# KiCad board mse-68-vhdci-panel.kicad_pcb (continued)
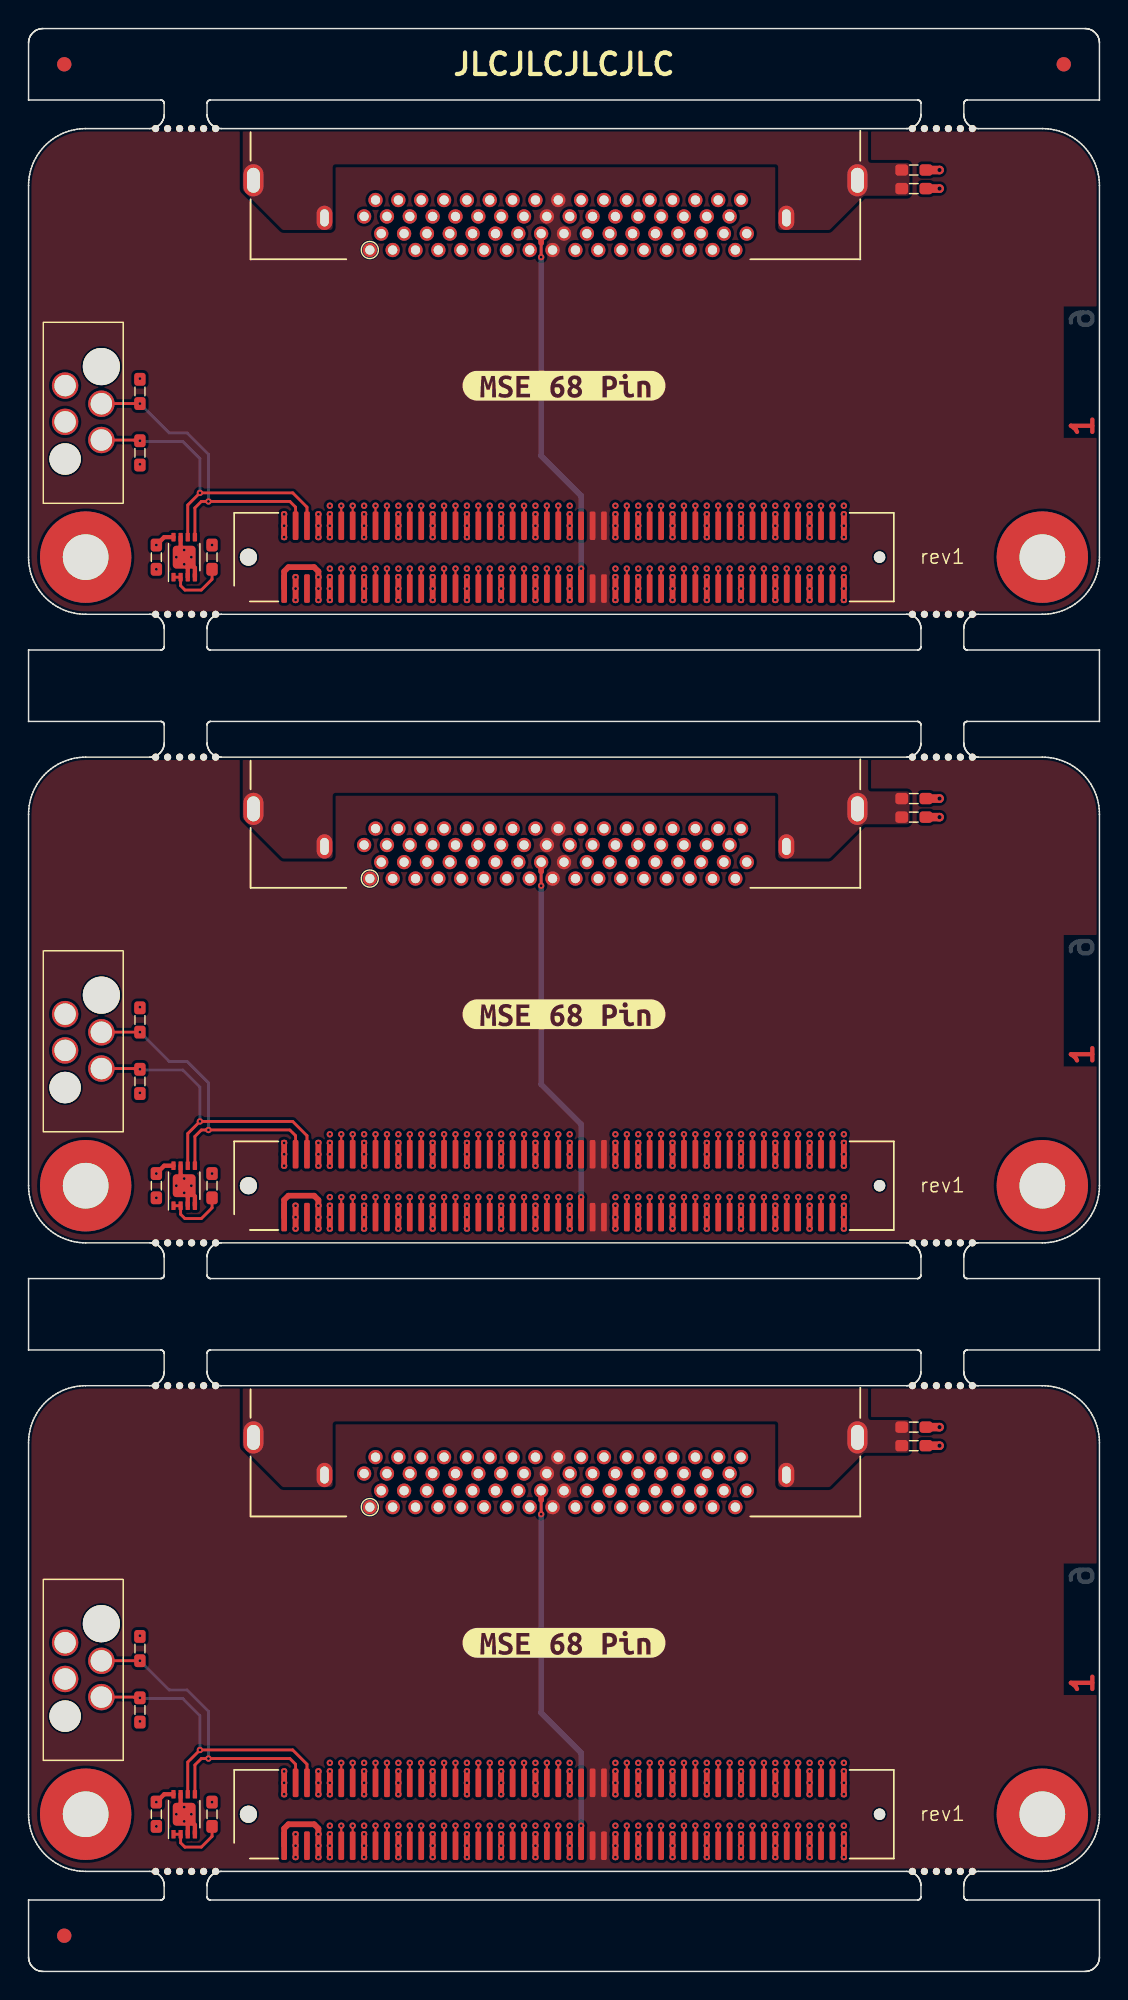
[diagram p0: board, top side]
## Routing (per net, layer and track width the routed paths; a pad name or vN(x,y) marks a point on that pad's centre or on a via; arc(x,y) is an arc through that point) (continued)
Board_2-/CON.DB3+: length 29.6
  Top w0.151: J1.35 v1(31.5,10.2)
  In3.Cu w0.151: J4.9 30.9,31.9 30.9,29.88 arc(30.83,29.71) 30.66,29.64 arc(30.5,29.57) 30.43,29.4 30.43,29.28 arc(30.5,29.11) 30.66,29.04 arc(30.83,28.97) 30.9,28.8 30.9,28.68 arc(30.83,28.51) 30.66,28.44 arc(30.5,28.37) 30.43,28.2 30.43,28.08 arc(30.5,27.91) 30.66,27.84 arc(30.83,27.77) 30.9,27.6 30.9,27.48 arc(30.83,27.31) 30.66,27.24 arc(30.5,27.17) 30.43,27 30.43,26.88 arc(30.5,26.71) 30.66,26.64 arc(30.83,26.57) 30.9,26.4 30.9,26.27 arc(30.83,26.11) 30.66,26.04 arc(30.5,25.97) 30.43,25.8 30.43,25.67 arc(30.5,25.51) 30.66,25.44 arc(30.83,25.37) 30.9,25.2 30.9,25.07 arc(30.83,24.91) 30.66,24.84 arc(30.5,24.77) 30.43,24.6 30.43,24.47 arc(30.5,24.31) 30.66,24.24 arc(30.83,24.17) 30.9,24 30.9,23.87 arc(30.83,23.71) 30.66,23.64 arc(30.5,23.57) 30.43,23.4 30.43,23.27 arc(30.5,23.11) 30.66,23.04 arc(30.83,22.97) 30.9,22.8 30.9,22.67 arc(30.83,22.51) 30.66,22.44 arc(30.5,22.37) 30.43,22.2 30.43,22.07 arc(30.5,21.91) 30.66,21.84 arc(30.83,21.77) 30.9,21.6 30.9,21.47 arc(30.83,21.31) 30.66,21.24 arc(30.5,21.17) 30.43,21 30.43,20.87 arc(30.5,20.71) 30.66,20.64 arc(30.83,20.57) 30.9,20.4 30.9,20.27 arc(30.83,20.11) 30.66,20.04 arc(30.5,19.97) 30.43,19.8 30.43,19.67 arc(30.5,19.51) 30.66,19.44 arc(30.83,19.37) 30.9,19.2 30.9,19.07 arc(30.83,18.91) 30.66,18.84 arc(30.5,18.77) 30.43,18.6 30.43,18.47 arc(30.5,18.31) 30.66,18.24 arc(30.83,18.17) 30.9,18 30.9,15.2 31.19,14.91 31.19,10.51 v1(31.5,10.2)
Board_2-/CON.DB3-: length 27
  Top w0.151: J1.36 v1(31.5,14.6)
  In2.Cu w0.151: J4.43 29.9,34.2 30.1,34 30.1,33.46 30.9,32.66 30.9,28.68 arc(30.83,28.51) 30.66,28.44 30.65,28.44 arc(30.48,28.37) 30.41,28.2 30.41,28.08 arc(30.48,27.91) 30.65,27.84 30.66,27.84 arc(30.83,27.77) 30.9,27.6 30.9,27.48 arc(30.83,27.31) 30.66,27.24 30.65,27.24 arc(30.48,27.17) 30.41,27 30.41,26.88 arc(30.48,26.71) 30.65,26.64 30.66,26.64 arc(30.83,26.57) 30.9,26.4 30.9,26.24 arc(30.84,26.09) 30.68,26.02 arc(30.53,25.96) 30.46,25.8 30.46,25.64 arc(30.53,25.49) 30.68,25.42 arc(30.84,25.36) 30.9,25.2 30.9,25.04 arc(30.84,24.89) 30.68,24.82 arc(30.53,24.76) 30.46,24.6 30.46,24.44 arc(30.53,24.29) 30.68,24.22 arc(30.84,24.16) 30.9,24 30.9,23.84 arc(30.84,23.69) 30.68,23.62 arc(30.53,23.56) 30.46,23.4 30.46,23.24 arc(30.53,23.09) 30.68,23.02 arc(30.84,22.96) 30.9,22.8 30.9,22.64 arc(30.84,22.49) 30.68,22.42 arc(30.53,22.36) 30.46,22.2 30.46,22.04 arc(30.53,21.89) 30.68,21.82 arc(30.84,21.76) 30.9,21.6 30.9,21.44 arc(30.84,21.29) 30.68,21.22 arc(30.53,21.16) 30.46,21 30.46,20.84 arc(30.53,20.69) 30.68,20.62 arc(30.84,20.56) 30.9,20.4 30.9,20.24 arc(30.84,20.09) 30.68,20.02 arc(30.53,19.96) 30.46,19.8 30.46,19.64 arc(30.53,19.49) 30.68,19.42 arc(30.84,19.36) 30.9,19.2 30.9,19.04 arc(30.84,18.89) 30.68,18.82 arc(30.53,18.76) 30.46,18.6 30.46,18.44 arc(30.53,18.29) 30.68,18.22 arc(30.84,18.16) 30.9,18 30.9,15.2 v1(31.5,14.6)
Board_2-/CON.DB4+: length 29.6
  Top w0.151: J1.37 v1(32.3,10.2)
  In3.Cu w0.151: v1(32.3,10.2) 31.9,10.6 31.9,15 31.3,15.6 31.3,18 arc(31.35,18.13) 31.48,18.18 arc(31.61,18.24) 31.66,18.36 31.66,18.6 arc(31.61,18.73) 31.48,18.78 arc(31.35,18.84) 31.3,18.96 31.3,19.2 arc(31.35,19.33) 31.48,19.38 arc(31.61,19.44) 31.66,19.56 31.66,19.8 arc(31.61,19.93) 31.48,19.98 arc(31.35,20.04) 31.3,20.16 31.3,20.4 arc(31.35,20.53) 31.48,20.58 arc(31.61,20.64) 31.66,20.76 31.66,21 arc(31.61,21.13) 31.48,21.18 arc(31.35,21.24) 31.3,21.36 31.3,21.6 arc(31.35,21.73) 31.48,21.78 arc(31.61,21.84) 31.66,21.96 31.66,22.2 arc(31.61,22.33) 31.48,22.38 arc(31.35,22.44) 31.3,22.56 31.3,22.8 arc(31.35,22.93) 31.48,22.98 arc(31.61,23.04) 31.66,23.16 31.66,23.4 arc(31.61,23.53) 31.48,23.58 arc(31.35,23.64) 31.3,23.76 31.3,24 arc(31.35,24.13) 31.48,24.18 arc(31.61,24.24) 31.66,24.36 31.66,24.6 arc(31.61,24.73) 31.48,24.78 arc(31.35,24.84) 31.3,24.96 31.3,25.2 arc(31.35,25.33) 31.48,25.38 arc(31.61,25.44) 31.66,25.56 31.66,25.8 arc(31.61,25.93) 31.48,25.98 arc(31.35,26.04) 31.3,26.16 31.3,26.4 arc(31.35,26.53) 31.48,26.58 arc(31.61,26.64) 31.66,26.76 31.66,27 arc(31.61,27.13) 31.48,27.18 arc(31.35,27.24) 31.3,27.36 31.3,27.6 arc(31.35,27.73) 31.48,27.78 arc(31.61,27.84) 31.66,27.96 31.66,28.2 arc(31.61,28.33) 31.48,28.38 arc(31.35,28.44) 31.3,28.56 31.3,28.8 arc(31.37,28.97) 31.54,29.04 arc(31.71,29.11) 31.78,29.28 31.78,29.4 arc(31.71,29.57) 31.54,29.64 arc(31.37,29.71) 31.3,29.88 31.3,32.1 31.1,32.3 J4.10
Board_2-/CON.DB4-: length 27
  Top w0.151: J1.38 v1(32.3,14.6)
  In2.Cu w0.151: v1(32.3,14.6) 31.3,15.6 31.3,18 arc(31.37,18.17) 31.54,18.24 31.54,18.24 arc(31.71,18.31) 31.78,18.48 31.78,18.6 arc(31.71,18.77) 31.54,18.84 31.54,18.84 arc(31.37,18.91) 31.3,19.08 31.3,19.2 arc(31.37,19.37) 31.54,19.44 31.54,19.44 arc(31.71,19.51) 31.78,19.68 31.78,19.8 arc(31.71,19.97) 31.54,20.04 31.54,20.04 arc(31.37,20.11) 31.3,20.28 31.3,20.4 arc(31.37,20.57) 31.54,20.64 31.54,20.64 arc(31.71,20.71) 31.78,20.88 31.78,21 arc(31.71,21.17) 31.54,21.24 31.54,21.24 arc(31.37,21.31) 31.3,21.48 31.3,21.6 arc(31.37,21.77) 31.54,21.84 31.54,21.84 arc(31.71,21.91) 31.78,22.08 31.78,22.2 arc(31.71,22.37) 31.54,22.44 31.54,22.44 arc(31.37,22.51) 31.3,22.68 31.3,22.8 arc(31.37,22.97) 31.54,23.04 31.54,23.04 arc(31.71,23.11) 31.78,23.28 31.78,23.4 arc(31.71,23.57) 31.54,23.64 31.54,23.64 arc(31.37,23.71) 31.3,23.88 31.3,24 arc(31.37,24.17) 31.54,24.24 31.54,24.24 arc(31.71,24.31) 31.78,24.48 31.78,24.6 arc(31.71,24.77) 31.54,24.84 31.54,24.84 arc(31.37,24.91) 31.3,25.08 31.3,32.68 30.5,33.48 30.5,34 30.7,34.2 J4.44
Board_2-/CON.DB5+: length 29.6
  Top w0.151: J1.41 v1(33.9,10.2)
  In3.Cu w0.151: v1(33.9,10.2) 33.6,10.5 33.6,14.7 33.59,14.71 33.59,14.91 32.5,16 32.5,18 arc(32.43,18.17) 32.26,18.24 32.25,18.24 arc(32.08,18.31) 32.01,18.48 32.01,18.6 arc(32.08,18.77) 32.25,18.84 32.26,18.84 arc(32.43,18.91) 32.5,19.08 32.5,19.2 arc(32.43,19.37) 32.26,19.44 32.25,19.44 arc(32.08,19.51) 32.01,19.68 32.01,19.8 arc(32.08,19.97) 32.25,20.04 32.26,20.04 arc(32.43,20.11) 32.5,20.28 32.5,20.4 arc(32.43,20.57) 32.26,20.64 32.25,20.64 arc(32.08,20.71) 32.01,20.88 32.01,21 arc(32.08,21.17) 32.25,21.24 32.26,21.24 arc(32.43,21.31) 32.5,21.48 32.5,21.6 arc(32.43,21.77) 32.26,21.84 32.25,21.84 arc(32.08,21.91) 32.01,22.08 32.01,22.2 arc(32.08,22.37) 32.25,22.44 32.26,22.44 arc(32.43,22.51) 32.5,22.68 32.5,22.8 arc(32.43,22.97) 32.26,23.04 32.25,23.04 arc(32.08,23.11) 32.01,23.28 32.01,23.4 arc(32.08,23.57) 32.25,23.64 32.26,23.64 arc(32.43,23.71) 32.5,23.88 32.5,24 arc(32.43,24.17) 32.26,24.24 32.25,24.24 arc(32.08,24.31) 32.01,24.48 32.01,24.6 arc(32.08,24.77) 32.25,24.84 32.26,24.84 arc(32.43,24.91) 32.5,25.08 32.5,25.2 arc(32.43,25.37) 32.26,25.44 32.25,25.44 arc(32.08,25.51) 32.01,25.68 32.01,25.8 arc(32.08,25.97) 32.25,26.04 32.26,26.04 arc(32.43,26.11) 32.5,26.28 32.5,26.4 arc(32.43,26.57) 32.26,26.64 32.25,26.64 arc(32.08,26.71) 32.01,26.88 32.01,27 arc(32.08,27.17) 32.25,27.24 32.26,27.24 arc(32.43,27.31) 32.5,27.48 32.5,27.6 arc(32.43,27.77) 32.26,27.84 32.25,27.84 arc(32.08,27.91) 32.01,28.08 32.01,28.2 arc(32.08,28.37) 32.25,28.44 32.26,28.44 arc(32.43,28.51) 32.5,28.68 32.5,31.9 J4.11
Board_2-/CON.DB5-: length 27
  Top w0.151: J1.42 v1(33.9,14.6)
  In2.Cu w0.151: v1(33.9,14.6) 32.5,16 32.5,18 arc(32.44,18.14) 32.31,18.19 arc(32.17,18.25) 32.12,18.38 32.12,18.6 arc(32.17,18.74) 32.31,18.79 arc(32.44,18.85) 32.5,18.98 32.5,19.2 arc(32.44,19.34) 32.31,19.39 arc(32.17,19.45) 32.12,19.58 32.12,19.8 arc(32.17,19.94) 32.31,19.99 arc(32.44,20.05) 32.5,20.18 32.5,20.4 arc(32.44,20.54) 32.31,20.59 arc(32.17,20.65) 32.12,20.78 32.12,21 arc(32.17,21.14) 32.31,21.19 arc(32.44,21.25) 32.5,21.38 32.5,21.6 arc(32.44,21.74) 32.31,21.79 arc(32.17,21.85) 32.12,21.98 32.12,22.2 arc(32.17,22.34) 32.31,22.39 arc(32.44,22.45) 32.5,22.58 32.5,22.8 arc(32.44,22.94) 32.31,22.99 arc(32.17,23.05) 32.12,23.18 32.12,23.4 arc(32.17,23.54) 32.31,23.59 arc(32.44,23.65) 32.5,23.78 32.5,24 arc(32.44,24.14) 32.31,24.19 arc(32.17,24.25) 32.12,24.38 32.12,24.6 arc(32.17,24.74) 32.31,24.79 arc(32.44,24.85) 32.5,24.98 32.5,25.2 arc(32.43,25.37) 32.26,25.44 32.25,25.44 arc(32.08,25.51) 32.01,25.68 32.01,25.8 arc(32.08,25.97) 32.25,26.04 32.26,26.04 arc(32.43,26.11) 32.5,26.28 32.5,26.4 arc(32.43,26.57) 32.26,26.64 32.25,26.64 arc(32.08,26.71) 32.01,26.88 32.01,27 arc(32.08,27.17) 32.25,27.24 32.26,27.24 arc(32.43,27.31) 32.5,27.48 32.5,27.6 arc(32.43,27.77) 32.26,27.84 32.25,27.84 arc(32.08,27.91) 32.01,28.08 32.01,28.2 arc(32.08,28.37) 32.25,28.44 32.26,28.44 arc(32.43,28.51) 32.5,28.68 32.5,32.65 31.7,33.45 31.7,34 31.5,34.2 J4.45
Board_2-/CON.DB6+: length 29.6
  Top w0.151: J1.43 v1(34.7,10.2)
  In3.Cu w0.151: J4.12 32.7,32.3 32.9,32.1 32.9,27.39 arc(32.96,27.25) 33.09,27.19 arc(33.23,27.14) 33.29,27 33.29,26.79 arc(33.23,26.65) 33.09,26.59 arc(32.96,26.54) 32.9,26.4 32.9,26.24 arc(32.96,26.08) 33.12,26.02 arc(33.27,25.96) 33.34,25.8 33.34,25.64 arc(33.27,25.48) 33.12,25.42 arc(32.96,25.36) 32.9,25.2 32.9,25.04 arc(32.96,24.88) 33.12,24.82 arc(33.27,24.76) 33.34,24.6 33.34,24.44 arc(33.27,24.28) 33.12,24.22 arc(32.96,24.16) 32.9,24 32.9,23.84 arc(32.96,23.68) 33.12,23.62 arc(33.27,23.56) 33.34,23.4 33.34,23.24 arc(33.27,23.08) 33.12,23.02 arc(32.96,22.96) 32.9,22.8 32.9,22.64 arc(32.96,22.48) 33.12,22.42 arc(33.27,22.36) 33.34,22.2 33.34,22.04 arc(33.27,21.88) 33.12,21.82 arc(32.96,21.76) 32.9,21.6 32.9,21.44 arc(32.96,21.28) 33.12,21.22 arc(33.27,21.16) 33.34,21 33.34,20.84 arc(33.27,20.68) 33.12,20.62 arc(32.96,20.56) 32.9,20.4 32.9,20.24 arc(32.96,20.08) 33.12,20.02 arc(33.27,19.96) 33.34,19.8 33.34,19.64 arc(33.27,19.48) 33.12,19.42 arc(32.96,19.36) 32.9,19.2 32.9,19.04 arc(32.96,18.88) 33.12,18.82 arc(33.27,18.76) 33.34,18.6 33.34,18.44 arc(33.27,18.28) 33.12,18.22 arc(32.96,18.16) 32.9,18 32.9,16.4 34.3,15 34.3,10.6 v1(34.7,10.2)
Board_2-/CON.DB6-: length 27
  Top w0.151: J1.44 v1(34.7,14.6)
  In2.Cu w0.151: J4.46 32.3,34.2 32.1,34 32.1,33.49 32.9,32.69 32.9,25.04 arc(32.96,24.89) 33.12,24.82 arc(33.27,24.76) 33.34,24.6 33.34,24.44 arc(33.27,24.29) 33.12,24.22 arc(32.96,24.16) 32.9,24 32.9,23.84 arc(32.96,23.69) 33.12,23.62 arc(33.27,23.56) 33.34,23.4 33.34,23.24 arc(33.27,23.09) 33.12,23.02 arc(32.96,22.96) 32.9,22.8 32.9,22.64 arc(32.96,22.49) 33.12,22.42 arc(33.27,22.36) 33.34,22.2 33.34,22.04 arc(33.27,21.89) 33.12,21.82 arc(32.96,21.76) 32.9,21.6 32.9,21.44 arc(32.96,21.29) 33.12,21.22 arc(33.27,21.16) 33.34,21 33.34,20.84 arc(33.27,20.69) 33.12,20.62 arc(32.96,20.56) 32.9,20.4 32.9,20.24 arc(32.96,20.09) 33.12,20.02 arc(33.27,19.96) 33.34,19.8 33.34,19.64 arc(33.27,19.49) 33.12,19.42 arc(32.96,19.36) 32.9,19.2 32.9,19.04 arc(32.96,18.89) 33.12,18.82 arc(33.27,18.76) 33.34,18.6 33.34,18.44 arc(33.27,18.29) 33.12,18.22 arc(32.96,18.16) 32.9,18 32.9,16.4 v1(34.7,14.6)
Board_2-/CON.DB7+: length 29.6
  Top w0.151: J1.47 v1(36.3,10.2)
  In3.Cu w0.151: J4.13 34.1,31.9 34.1,28.68 arc(34.03,28.51) 33.86,28.44 33.84,28.44 arc(33.67,28.37) 33.6,28.2 33.6,28.08 arc(33.67,27.91) 33.84,27.84 33.86,27.84 arc(34.03,27.77) 34.1,27.6 34.1,27.48 arc(34.03,27.31) 33.86,27.24 33.84,27.24 arc(33.67,27.17) 33.6,27 33.6,26.88 arc(33.67,26.71) 33.84,26.64 33.86,26.64 arc(34.03,26.57) 34.1,26.4 34.1,26.25 arc(34.03,26.09) 33.88,26.02 arc(33.72,25.96) 33.65,25.8 33.65,25.65 arc(33.72,25.49) 33.88,25.42 arc(34.03,25.36) 34.1,25.2 34.1,25.05 arc(34.03,24.89) 33.88,24.82 arc(33.72,24.76) 33.65,24.6 33.65,24.45 arc(33.72,24.29) 33.88,24.22 arc(34.03,24.16) 34.1,24 34.1,23.85 arc(34.03,23.69) 33.88,23.62 arc(33.72,23.56) 33.65,23.4 33.65,23.25 arc(33.72,23.09) 33.88,23.02 arc(34.03,22.96) 34.1,22.8 34.1,22.65 arc(34.03,22.49) 33.88,22.42 arc(33.72,22.36) 33.65,22.2 33.65,22.05 arc(33.72,21.89) 33.88,21.82 arc(34.03,21.76) 34.1,21.6 34.1,21.45 arc(34.03,21.29) 33.88,21.22 arc(33.72,21.16) 33.65,21 33.65,20.85 arc(33.72,20.69) 33.88,20.62 arc(34.03,20.56) 34.1,20.4 34.1,20.25 arc(34.03,20.09) 33.88,20.02 arc(33.72,19.96) 33.65,19.8 33.65,19.65 arc(33.72,19.49) 33.88,19.42 arc(34.03,19.36) 34.1,19.2 34.1,19.05 arc(34.03,18.89) 33.88,18.82 arc(33.72,18.76) 33.65,18.6 33.65,18.45 arc(33.72,18.29) 33.88,18.22 arc(34.03,18.16) 34.1,18 34.1,16.8 36,14.9 36,10.5 v1(36.3,10.2)
Board_2-/CON.DB7-: length 27
  Top w0.151: J1.48 v1(36.3,14.6)
  In2.Cu w0.151: v1(36.3,14.6) 34.1,16.8 34.1,18 arc(34.03,18.15) 33.89,18.21 arc(33.74,18.27) 33.67,18.42 33.67,18.6 arc(33.74,18.75) 33.89,18.81 arc(34.03,18.87) 34.1,19.02 34.1,19.2 arc(34.03,19.35) 33.89,19.41 arc(33.74,19.47) 33.67,19.62 33.67,19.8 arc(33.74,19.95) 33.89,20.01 arc(34.03,20.07) 34.1,20.22 34.1,20.4 arc(34.03,20.55) 33.89,20.61 arc(33.74,20.67) 33.67,20.82 33.67,21 arc(33.74,21.15) 33.89,21.21 arc(34.03,21.27) 34.1,21.42 34.1,21.6 arc(34.03,21.75) 33.89,21.81 arc(33.74,21.87) 33.67,22.02 33.67,22.2 arc(33.74,22.35) 33.89,22.41 arc(34.03,22.47) 34.1,22.62 34.1,22.8 arc(34.03,22.95) 33.89,23.01 arc(33.74,23.07) 33.67,23.22 33.67,23.4 arc(33.74,23.55) 33.89,23.61 arc(34.03,23.67) 34.1,23.82 34.1,24 arc(34.03,24.15) 33.89,24.21 arc(33.74,24.27) 33.67,24.42 33.67,24.6 arc(33.74,24.75) 33.89,24.81 arc(34.03,24.87) 34.1,25.02 34.1,25.2 arc(34.03,25.37) 33.86,25.44 33.85,25.44 arc(33.68,25.51) 33.61,25.68 33.61,25.8 arc(33.68,25.97) 33.85,26.04 33.86,26.04 arc(34.03,26.11) 34.1,26.28 34.1,26.4 arc(34.03,26.57) 33.86,26.64 33.85,26.64 arc(33.68,26.71) 33.61,26.88 33.61,27 arc(33.68,27.17) 33.85,27.24 33.86,27.24 arc(34.03,27.31) 34.1,27.48 34.1,32.66 33.3,33.46 33.3,34 33.1,34.2 J4.47
Board_2-/CON.DB8+: length 29.6
  Top w0.151: J1.89 v1(53.1,10.2)
  In3.Cu w0.151: J4.31 48.5,31.9 48.5,30.46 arc(48.43,30.3) 48.27,30.23 arc(48.11,30.16) 48.04,30 48.04,29.86 arc(48.11,29.7) 48.27,29.63 arc(48.43,29.56) 48.5,29.4 48.5,29.26 arc(48.43,29.1) 48.27,29.03 arc(48.11,28.96) 48.04,28.8 48.04,28.66 arc(48.11,28.5) 48.27,28.43 arc(48.43,28.36) 48.5,28.2 48.5,28 arc(48.44,27.86) 48.3,27.8 arc(48.16,27.74) 48.11,27.6 48.11,27.4 arc(48.16,27.26) 48.3,27.2 arc(48.44,27.14) 48.5,27 48.5,26.8 arc(48.44,26.66) 48.3,26.6 arc(48.16,26.54) 48.11,26.4 48.11,26.2 arc(48.16,26.06) 48.3,26 arc(48.44,25.94) 48.5,25.8 48.5,25.6 arc(48.44,25.46) 48.3,25.4 arc(48.16,25.34) 48.11,25.2 48.11,25 arc(48.16,24.86) 48.3,24.8 arc(48.44,24.74) 48.5,24.6 48.5,24.4 arc(48.44,24.26) 48.3,24.2 arc(48.16,24.14) 48.11,24 48.11,23.8 arc(48.16,23.66) 48.3,23.6 arc(48.44,23.54) 48.5,23.4 48.5,23.2 arc(48.44,23.06) 48.3,23 arc(48.16,22.94) 48.11,22.8 48.11,22.6 arc(48.16,22.46) 48.3,22.4 arc(48.44,22.34) 48.5,22.2 48.5,22 arc(48.44,21.86) 48.3,21.8 arc(48.16,21.74) 48.11,21.6 48.11,21.4 arc(48.16,21.26) 48.3,21.2 arc(48.44,21.14) 48.5,21 48.5,19.2 52.8,14.9 52.8,10.5 v1(53.1,10.2)
Board_2-/CON.DB8-: length 27
  Top w0.151: J1.90 v1(53.1,14.6)
  In2.Cu w0.151: v1(53.1,14.6) 48.5,19.2 48.5,21 arc(48.44,21.15) 48.29,21.21 arc(48.14,21.28) 48.08,21.43 48.08,21.6 arc(48.14,21.75) 48.29,21.81 arc(48.44,21.88) 48.5,22.03 48.5,22.2 arc(48.44,22.35) 48.29,22.41 arc(48.14,22.48) 48.08,22.63 48.08,22.8 arc(48.14,22.95) 48.29,23.01 arc(48.44,23.08) 48.5,23.23 48.5,23.4 arc(48.44,23.55) 48.29,23.61 arc(48.14,23.68) 48.08,23.83 48.08,24 arc(48.14,24.15) 48.29,24.21 arc(48.44,24.28) 48.5,24.43 48.5,24.6 arc(48.45,24.73) 48.31,24.79 arc(48.18,24.84) 48.13,24.98 48.13,25.2 arc(48.18,25.33) 48.31,25.39 arc(48.45,25.44) 48.5,25.58 48.5,25.8 arc(48.43,25.97) 48.26,26.04 48.25,26.04 arc(48.08,26.11) 48.01,26.28 48.01,26.4 arc(48.08,26.57) 48.25,26.64 48.26,26.64 arc(48.43,26.71) 48.5,26.88 48.5,27 arc(48.43,27.17) 48.26,27.24 48.25,27.24 arc(48.08,27.31) 48.01,27.48 48.01,27.6 arc(48.08,27.77) 48.25,27.84 48.26,27.84 arc(48.43,27.91) 48.5,28.08 48.5,32.68 47.7,33.48 47.7,34 47.5,34.2 J4.65
Board_2-/CON.DB9+: length 29.6
  Top w0.151: J1.91 v1(53.9,10.2)
  In3.Cu w0.151: J4.32 48.7,32.3 48.9,32.1 48.9,27.98 arc(48.96,27.85) 49.09,27.79 arc(49.22,27.74) 49.28,27.6 49.28,27.38 arc(49.22,27.25) 49.09,27.19 arc(48.96,27.14) 48.9,27 48.9,26.78 arc(48.96,26.65) 49.09,26.59 arc(49.22,26.54) 49.28,26.4 49.28,26.18 arc(49.22,26.05) 49.09,25.99 arc(48.96,25.94) 48.9,25.8 48.9,25.58 arc(48.96,25.45) 49.09,25.39 arc(49.22,25.34) 49.28,25.2 49.28,24.98 arc(49.22,24.85) 49.09,24.79 arc(48.96,24.74) 48.9,24.6 48.9,24.38 arc(48.96,24.25) 49.09,24.19 arc(49.22,24.14) 49.28,24 49.28,23.78 arc(49.22,23.65) 49.09,23.59 arc(48.96,23.54) 48.9,23.4 48.9,23.18 arc(48.96,23.05) 49.09,22.99 arc(49.22,22.94) 49.28,22.8 49.28,22.58 arc(49.22,22.45) 49.09,22.39 arc(48.96,22.34) 48.9,22.2 48.9,21.98 arc(48.96,21.85) 49.09,21.79 arc(49.22,21.74) 49.28,21.6 49.28,21.38 arc(49.22,21.25) 49.09,21.19 arc(48.96,21.14) 48.9,21 48.9,19.6 53.5,15 53.5,10.6 v1(53.9,10.2)
Board_2-/CON.DB9-: length 27
  Top w0.151: J1.92 v1(53.9,14.6)
  In2.Cu w0.151: v1(53.9,14.6) 48.9,19.6 48.9,21 arc(48.96,21.14) 49.09,21.19 arc(49.22,21.25) 49.28,21.38 49.28,21.6 arc(49.22,21.74) 49.09,21.79 arc(48.96,21.85) 48.9,21.98 48.9,22.2 arc(48.96,22.34) 49.09,22.39 arc(49.22,22.45) 49.28,22.58 49.28,22.8 arc(49.22,22.94) 49.09,22.99 arc(48.96,23.05) 48.9,23.18 48.9,23.4 arc(48.96,23.54) 49.09,23.59 arc(49.22,23.65) 49.28,23.78 49.28,24 arc(49.22,24.14) 49.09,24.19 arc(48.96,24.25) 48.9,24.38 48.9,24.6 arc(48.95,24.72) 49.07,24.77 arc(49.18,24.82) 49.23,24.93 49.23,25.2 arc(49.18,25.32) 49.07,25.37 arc(48.95,25.42) 48.9,25.53 48.9,32.7 48.1,33.5 48.1,34 48.3,34.2 J4.66
Board_2-/CON.DB10+: length 29.6
  Top w0.151: J1.95 v1(55.5,10.2)
  In3.Cu w0.151: v1(55.5,10.2) 55.2,10.5 55.2,14.9 50.1,20 50.1,21 arc(50.03,21.17) 49.86,21.24 49.85,21.24 arc(49.68,21.31) 49.61,21.48 49.61,21.6 arc(49.68,21.77) 49.85,21.84 49.86,21.84 arc(50.03,21.91) 50.1,22.08 50.1,22.2 arc(50.03,22.37) 49.86,22.44 49.85,22.44 arc(49.68,22.51) 49.61,22.68 49.61,22.8 arc(49.68,22.97) 49.85,23.04 49.86,23.04 arc(50.03,23.11) 50.1,23.28 50.1,23.4 arc(50.03,23.57) 49.86,23.64 49.85,23.64 arc(49.68,23.71) 49.61,23.88 49.61,24 arc(49.68,24.17) 49.85,24.24 49.86,24.24 arc(50.03,24.31) 50.1,24.48 50.1,24.6 arc(50.03,24.77) 49.86,24.84 49.85,24.84 arc(49.68,24.91) 49.61,25.08 49.61,25.2 arc(49.68,25.37) 49.85,25.44 49.86,25.44 arc(50.03,25.51) 50.1,25.68 50.1,25.8 arc(50.03,25.97) 49.86,26.04 49.85,26.04 arc(49.68,26.11) 49.61,26.28 49.61,26.4 arc(49.68,26.57) 49.85,26.64 49.86,26.64 arc(50.03,26.71) 50.1,26.88 50.1,27 arc(50.03,27.17) 49.86,27.24 49.85,27.24 arc(49.68,27.31) 49.61,27.48 49.61,27.6 arc(49.68,27.77) 49.85,27.84 49.86,27.84 arc(50.03,27.91) 50.1,28.08 50.1,31.9 J4.33
Board_2-/CON.DB10-: length 27
  Top w0.151: J1.96 v1(55.5,14.6)
  In2.Cu w0.151: J4.67 49.1,34.2 49.3,34 49.3,33.48 50.1,32.68 50.1,26.87 arc(50.03,26.7) 49.87,26.64 arc(49.7,26.57) 49.63,26.4 49.63,26.27 arc(49.7,26.1) 49.87,26.04 arc(50.03,25.97) 50.1,25.8 50.1,25.67 arc(50.03,25.5) 49.87,25.44 arc(49.7,25.37) 49.63,25.2 49.63,25.07 arc(49.7,24.9) 49.87,24.84 arc(50.03,24.77) 50.1,24.6 50.1,24.47 arc(50.03,24.3) 49.87,24.24 arc(49.7,24.17) 49.63,24 49.63,23.87 arc(49.7,23.7) 49.87,23.64 arc(50.03,23.57) 50.1,23.4 50.1,23.27 arc(50.03,23.1) 49.87,23.04 arc(49.7,22.97) 49.63,22.8 49.63,22.67 arc(49.7,22.5) 49.87,22.44 arc(50.03,22.37) 50.1,22.2 50.1,22.07 arc(50.03,21.9) 49.87,21.84 arc(49.7,21.77) 49.63,21.6 49.63,21.47 arc(49.7,21.3) 49.87,21.24 arc(50.03,21.17) 50.1,21 50.1,20 v1(55.5,14.6)
Board_2-/CON.DB11+: length 29.6
  Top w0.151: J1.97 v1(56.3,10.2)
  In3.Cu w0.151: v1(56.3,10.2) 55.9,10.6 55.9,15 50.5,20.4 50.5,21 arc(50.57,21.17) 50.74,21.24 50.75,21.24 arc(50.92,21.31) 50.99,21.48 50.99,21.6 arc(50.92,21.77) 50.75,21.84 50.74,21.84 arc(50.57,21.91) 50.5,22.08 50.5,22.2 arc(50.57,22.37) 50.74,22.44 50.75,22.44 arc(50.92,22.51) 50.99,22.68 50.99,22.8 arc(50.92,22.97) 50.75,23.04 50.74,23.04 arc(50.57,23.11) 50.5,23.28 50.5,23.4 arc(50.57,23.57) 50.74,23.64 50.75,23.64 arc(50.92,23.71) 50.99,23.88 50.99,24 arc(50.92,24.17) 50.75,24.24 50.74,24.24 arc(50.57,24.31) 50.5,24.48 50.5,24.6 arc(50.57,24.77) 50.74,24.84 50.75,24.84 arc(50.92,24.91) 50.99,25.08 50.99,25.2 arc(50.92,25.37) 50.75,25.44 50.74,25.44 arc(50.57,25.51) 50.5,25.68 50.5,32.1 50.3,32.3 J4.34
Board_2-/CON.DB11-: length 27
  Top w0.151: J1.98 v1(56.3,14.6)
  In2.Cu w0.151: v1(56.3,14.6) 50.5,20.4 50.5,21 arc(50.56,21.14) 50.7,21.2 arc(50.84,21.26) 50.89,21.4 50.89,21.6 arc(50.84,21.74) 50.7,21.8 arc(50.56,21.86) 50.5,22 50.5,22.2 arc(50.56,22.34) 50.7,22.4 arc(50.84,22.46) 50.89,22.6 50.89,22.8 arc(50.84,22.94) 50.7,23 arc(50.56,23.06) 50.5,23.2 50.5,23.4 arc(50.56,23.54) 50.7,23.6 arc(50.84,23.66) 50.89,23.8 50.89,24 arc(50.84,24.14) 50.7,24.2 arc(50.56,24.26) 50.5,24.4 50.5,32.7 49.7,33.5 49.7,34 49.9,34.2 J4.68
Board_2-/CON.DB12+: length 29.6
  Top w0.151: J1.11 v1(21.9,10.2)
  In3.Cu w0.151: J4.1 24.5,31.9 24.5,27.48 arc(24.43,27.31) 24.26,27.24 24.25,27.24 arc(24.08,27.17) 24.01,27 24.01,26.88 arc(24.08,26.71) 24.25,26.64 24.26,26.64 arc(24.43,26.57) 24.5,26.4 24.5,26.28 arc(24.43,26.11) 24.26,26.04 24.25,26.04 arc(24.08,25.97) 24.01,25.8 24.01,25.68 arc(24.08,25.51) 24.25,25.44 24.26,25.44 arc(24.43,25.37) 24.5,25.2 24.5,25.08 arc(24.43,24.91) 24.26,24.84 24.25,24.84 arc(24.08,24.77) 24.01,24.6 24.01,24.48 arc(24.08,24.31) 24.25,24.24 24.26,24.24 arc(24.43,24.17) 24.5,24 24.5,23.88 arc(24.43,23.71) 24.26,23.64 24.25,23.64 arc(24.08,23.57) 24.01,23.4 24.01,23.28 arc(24.08,23.11) 24.25,23.04 24.26,23.04 arc(24.43,22.97) 24.5,22.8 24.5,22.68 arc(24.43,22.51) 24.26,22.44 24.25,22.44 arc(24.08,22.37) 24.01,22.2 24.01,22.08 arc(24.08,21.91) 24.25,21.84 24.26,21.84 arc(24.43,21.77) 24.5,21.6 24.5,21.48 arc(24.43,21.31) 24.26,21.24 24.25,21.24 arc(24.08,21.17) 24.01,21 24.01,20.88 arc(24.08,20.71) 24.25,20.64 24.26,20.64 arc(24.43,20.57) 24.5,20.4 24.5,20.28 arc(24.43,20.11) 24.26,20.04 24.25,20.04 arc(24.08,19.97) 24.01,19.8 24.01,19.68 arc(24.08,19.51) 24.25,19.44 24.26,19.44 arc(24.43,19.37) 24.5,19.2 24.5,19.08 arc(24.43,18.91) 24.26,18.84 24.25,18.84 arc(24.08,18.77) 24.01,18.6 24.01,18.48 arc(24.08,18.31) 24.25,18.24 24.26,18.24 arc(24.43,18.17) 24.5,18 24.5,17.2 22.3,15 22.3,10.6 v1(21.9,10.2)
Board_2-/CON.DB12-: length 27
  Top w0.151: J1.12 v1(21.9,14.6)
  In2.Cu w0.151: v1(21.9,14.6) 24.5,17.2 24.5,18 arc(24.43,18.17) 24.26,18.24 arc(24.09,18.31) 24.02,18.48 24.02,18.6 arc(24.09,18.77) 24.26,18.84 arc(24.43,18.91) 24.5,19.08 24.5,19.2 arc(24.43,19.37) 24.26,19.44 arc(24.09,19.51) 24.02,19.68 24.02,19.8 arc(24.09,19.97) 24.26,20.04 arc(24.43,20.11) 24.5,20.28 24.5,20.4 arc(24.43,20.57) 24.26,20.64 arc(24.09,20.71) 24.02,20.88 24.02,21 arc(24.09,21.17) 24.26,21.24 arc(24.43,21.31) 24.5,21.48 24.5,21.6 arc(24.43,21.77) 24.26,21.84 arc(24.09,21.91) 24.02,22.08 24.02,22.2 arc(24.09,22.37) 24.26,22.44 arc(24.43,22.51) 24.5,22.68 24.5,22.8 arc(24.43,22.97) 24.26,23.04 arc(24.09,23.11) 24.02,23.28 24.02,23.4 arc(24.09,23.57) 24.26,23.64 arc(24.43,23.71) 24.5,23.88 24.5,24 arc(24.43,24.17) 24.26,24.24 arc(24.09,24.31) 24.02,24.48 24.02,24.6 arc(24.09,24.77) 24.26,24.84 arc(24.43,24.91) 24.5,25.08 24.5,25.2 arc(24.43,25.37) 24.26,25.44 arc(24.09,25.51) 24.02,25.68 24.02,25.8 arc(24.09,25.97) 24.26,26.04 arc(24.43,26.11) 24.5,26.28 24.5,32.65 23.7,33.45 23.7,34 23.5,34.2 J4.35
Board_2-/CON.DB13+: length 29.6
  Top w0.151: J1.13 v1(22.7,10.2)
  In3.Cu w0.151: v1(22.7,10.2) 23.01,10.51 23.01,14.91 24.9,16.8 24.9,18 arc(24.97,18.17) 25.13,18.24 arc(25.3,18.31) 25.37,18.47 25.37,18.6 arc(25.3,18.77) 25.13,18.84 arc(24.97,18.91) 24.9,19.07 24.9,19.2 arc(24.97,19.37) 25.13,19.44 arc(25.3,19.51) 25.37,19.67 25.37,19.8 arc(25.3,19.97) 25.13,20.04 arc(24.97,20.11) 24.9,20.27 24.9,20.4 arc(24.97,20.57) 25.13,20.64 arc(25.3,20.71) 25.37,20.87 25.37,21 arc(25.3,21.17) 25.13,21.24 arc(24.97,21.31) 24.9,21.47 24.9,21.6 arc(24.97,21.77) 25.13,21.84 arc(25.3,21.91) 25.37,22.07 25.37,22.2 arc(25.3,22.37) 25.13,22.44 arc(24.97,22.51) 24.9,22.67 24.9,22.8 arc(24.97,22.97) 25.13,23.04 arc(25.3,23.11) 25.37,23.27 25.37,23.4 arc(25.3,23.57) 25.13,23.64 arc(24.97,23.71) 24.9,23.87 24.9,24 arc(24.97,24.17) 25.13,24.24 arc(25.3,24.31) 25.37,24.47 25.37,24.6 arc(25.3,24.77) 25.13,24.84 arc(24.97,24.91) 24.9,25.07 24.9,25.2 arc(24.97,25.37) 25.13,25.44 arc(25.3,25.51) 25.37,25.67 25.37,25.8 arc(25.3,25.97) 25.13,26.04 arc(24.97,26.11) 24.9,26.27 24.9,32.1 24.7,32.3 J4.2
